# KiCad board CXD-ROUTER-v1.2.0.kicad_pcb (continued)
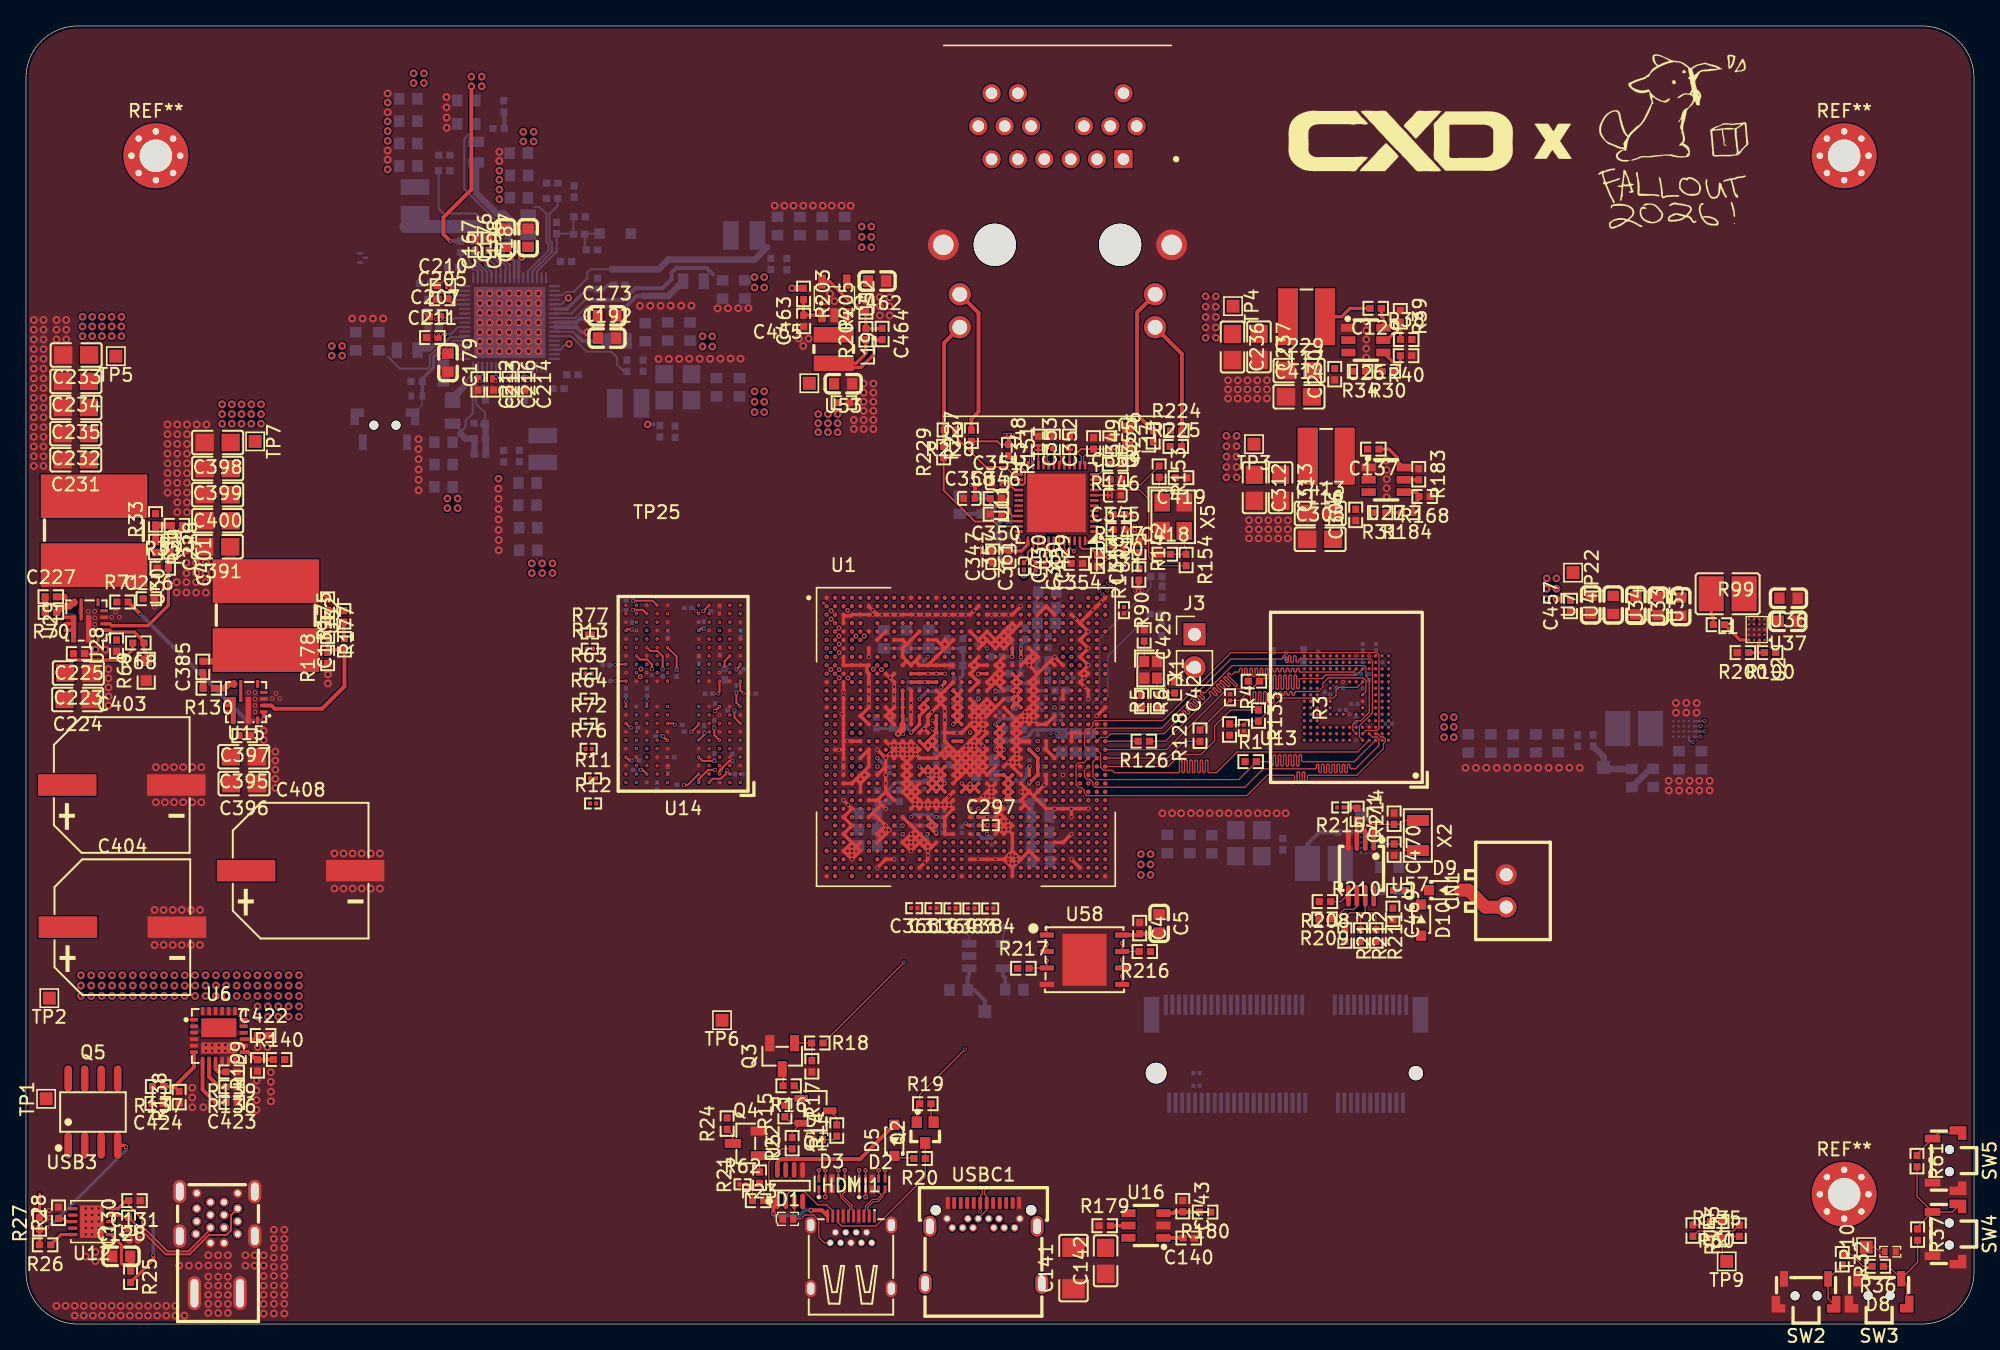
[diagram p0: board, top side]
## Routing (per net, layer and track width the routed paths; a pad name or vN(x,y) marks a point on that pad's centre or on a via; arc(x,y) is an arc through that point) (continued)
Net-(Q4-B): length 1.3
  Top w0.1: R21.2 56.49,12.9 Q4.1
Net-(Q5-G): length 11.4
  Top w0.254: v3(7.7,13.65) 7.59,13.76 Q5.4 7.12,13.7 ; R26.2 1.04,7.3 R27.1 1.52,7.32 v3(1.62,7.43)
  Bottom w0.254: v3(1.62,7.43) 1.95,7.75 2.05,7.75 7.7,13.4 v3(7.7,13.65)
Net-(R21-Pad1): length 2.6
  Top w0.1: R21.1 56.41,10.76 R62.2 55.94,10.24 R23.1
Net-(R29-Pad1): length 2.5
  Top w0.5: R29.1 R33.1 10,61.53 R73.2
Net-(R30-Pad2): length 1.3
  Top w0.254: R30.2 103.17,73.4 R34.1
Net-(R32-Pad2): length 3.7
  Top w0.1: SW2.4 138.77,1.95 SW2.1 139.84,4.56 R32.2
Net-(R36-Pad1): length 7.4
  Top w0.1: SW3.4 144.82,3.06 SW3.1 ; SW3.1 145.65,4.75 R37.2 ; SW3.1 143.44,4.44 R36.1
Net-(R37-Pad1): length 7.9
  Top w0.1: R37.1 145.65,7.49 SW4.1 ; R61.2 145.61,9.83 SW4.1 ; SW4.4 148.33,8.64 SW4.1
Net-(R61-Pad1): length 3.9
  Top w0.1: SW5.4 147.24,14.72 145.61,13.09 R61.1
Net-(R175-Pad2): length 2.4
  Top w0.3: R177.1 R176.1 24.44,54.98 R175.2
Net-(R184-Pad2): length 1.2
  Top w0.254: R184.2 R31.1
Net-(U1C-EMMC_CLKOUT/GPIO2_A1_D): length 2.5
  Top w0.09: R126.2 83.1,44.9
Net-(U1C-EMMC_DATA_STROBE/I2C2_SDA_M2/UART5_CTSN_M1/GPIO2_A2_D): length 7.8
  Top w0.09: 83.1,43.6 87.9,43.6 89.19,44.89 R128.2
Net-(U1C-EMMC_RSTN/I2C2_SCL_M2/UART5_RTSN_M1/GPIO2_A3_D): length 14.3
  Top w0.09: 83.1,42.95 87.95,42.95 88.87,43.88 90.48,43.88 91.52,44.93 91.52,46.08 92.76,47.31 R133.2
Net-(U1P-MIPI_D/C_PHY1_VREG): length 0.1
  Bottom w0.254: C16.1 73.34,39.71 v4(73.35,39.7)
Net-(U6-dVdt): length 1.2
  Top w0.254: U6.15 17.54,21.94 C422.1
Net-(U6-EN/UVLO): length 4.6
  Top w0.254: R138.2 11.41,18.3 R137.1
  Top w0.3: 11.41,18.3 11.45,18.3 12.93,19.78 U6.6
Net-(U6-ILIM): length 2.8
  Top w0.3: U6.8 14.1,19.05 14.88,18.27 R136.2
Net-(U6-IMON): length 1.5
  Top w0.3: R139.2 14.81,19.42 14.6,19.64 U6.9
Net-(U6-ITIMER): length 4.4
  Top w0.3: U6.7 13.6,18.05 14.58,17.07 C423.2
Net-(U6-PG): length 2.5
  Top w0.3: U6.13 17.11,20.94 17.69,20.36 R199.2 17.84,20.38 R140.1
Net-(U11-ISOLATEB): length 1.3
  Top w0.15: R142.2 85.7,58.19 R141.2
Net-(U12-CC1): length 13.2
  Top w0.15: C130.2 10.76,5.37 12.6,5.37 14.09,6.86 15.43,6.86 15.79,7.22 15.79,8.39 USB3.A5
  Top w0.254: C130.2 7.53,8.23 7.37,8.39 U12.4
Net-(U12-CC2): length 10.9
  Top w0.15: C131.2 7.92,9.13 8.95,8.1 8.95,7.55 10.9,5.6 12.5,5.6 14.2,7.3 USB3.B5
  Top w0.254: C131.2 7.7,9.51 7.08,8.89 7.07,8.89 U12.5
Net-(U12-GATE): length 2
  Top w0.254: R26.1 2.7,6.89 U12.10
Net-(U12-VIN): length 4.7
  Top w0.254: 8.08,4.5 8.03,4.55 7.5,4.55 7.35,4.7 7.35,6.09 U12.1
  Top w0.5: R25.1 8.08,4.11 8.08,5.39
Net-(U12-VSET): length 1.2
  Top w0.254: U12.8 3.12,7.89 2.88,8.13 R28.1
Net-(U14A-ODTa):
  vias: v2(54.2,45.62)
Net-(U14A-ODTb): length 1.2
  Top w0.15: v2(54.2,51.48) 53.8,51.08 v4(53.8,50.48)
Net-(U14A-ZQ0): length 1.8
  Top w0.15: v4(53.06,42.69) 52.52,42.69 51.8,41.97 v2(51.8,41.73)
Net-(U15-BOOT): length 2.1
  Top w0.5: 14.91,48.98 14.51,48.98 15.28,48.98 15.61,49.31 U15.7
Net-(U15-FB): length 12.5
  Top w0.3: R177.2 R178.2 23.41,51.94 C139.1 24.52,49.12 22.8,47.4 19.15,47.4 18.9,47.65 18.32,47.65 U15.2
Net-(U15-SW): length 5.2
  Top w0.5: C385.2 17.61,51.06 U32.1
Net-(U16-EN): length 2.8
  Top w0.3: R180.2 89.09,8.62 C143.2 88.45,8.65 88.34,8.54 U16.3
Net-(U16-ILIM): length 1.4
  Top w0.3: R179.2 84.86,7.58 U16.5
Net-(U18A-SW7): length 11.1
  Bottom w0.15: U18.42 42.29,77.5 43.14,78.36 43.37,78.36
  Bottom w0.3: 47.52,79.21 47.02,79.21 46.17,78.36 43.37,78.36
  Bottom w0.5: L4.1 50.6,80.33 49.47,79.21 47.52,79.21
Net-(U26-EN): length 3
  Top w0.254: 105.84,76.6 105.6,76.6 104.8,75.8 U26.5 ; 105.84,76.6 R38.1 ; 105.84,76.6 105.84,77.19 R39.2
Net-(U26-SW): length 3.7
  Top w0.254: C129.2 101.95,78.25 101.3,77.6 L17.1
Net-(U26-VBST): length 1.6
  Top w0.254: U26.6 104.52,77.48 104.36,77.64 C129.1
Net-(U26-VFB): length 3.1
  Top w0.254: 105.83,73.94 R30.1 ; 105.83,73.94 105.43,73.94 U26.4 ; 105.83,73.94 R40.2
Net-(U27-VBST): length 2.6
  Top w0.254: U27.6 105.56,66.51 105.56,66.78 104.94,67.4 C137.1
Net-(U27-VFB): length 2.8
  Top w0.254: R184.1 106.79,63.05 107.26,63.52 R168.2 107.26,63.88 107.05,64.09 U27.4
Net-(U29-BOOT): length 1.7
  Top w0.5: R70.1 2.83,55.3 3.35,55.3 3.65,55.6 U29.7
Net-(U29-EN): length 4.8
  Top w0.254: U29.1 6.45,53.45 6.6,53.3 8.34,53.3 9.06,52.58 9.06,51.94 9.26,51.74 9.26,51.29
Net-(U29-FB): length 11
  Top w0.254: R35.2 10.97,55.37 9.4,53.8 6.6,53.8 6.45,53.95 U29.2
  Top w0.5: R35.2 10.97,58.77 11.1,58.9 11.1,59.43 C228.2 10.02,59.48 R29.2
Net-(U29-SW): length 0.6
  Top w0.5: C227.2 2.97,56.03
Net-(U46-EN): length 1.5
  Bottom w0.1: 75.33,29.42 U46.4 75.22,29.92 75.33,30.04 R207.2
Net-(U46-ILIM/OCB): length 1.4
  Bottom w0.1: U46.3 72.62,29.88 72.36,30.14 R206.2
Net-(U52-EN): length 2.6
  Top w0.254: U52.1 61.28,77.73 59.86,77.73 59.86,78.92 R203.2
Net-(U52-FB): length 6.9
  Top w0.254: C464.1 65.9,76.69 R204.2 R205.1 64.43,77.97 63.6,78.8 63.4,78.8 61.89,80.31 U52.5
Net-(U57-CLKOUT): length 7.4
  Top w0.1: 103.12,31.68 103.67,31.68 103.95,31.4 R211.1 ; 103.12,31.68 102.75,31.3 102.76,31.3 R212.1 ; 103.12,31.68 101.92,31.68 101.55,31.31 R213.1 ; 103.12,31.68 U57.7
Net-(U57-INT#): length 1.6
  Top w0.3: U57.3 102.48,38.84 R214.2
Net-(U57-OSCI): length 3.7
  Top w0.1: X2.2 106.22,36.48 105.71,36.98 C470.1 104.67,36.98 104.36,37.29 U57.1
Net-(U57-OSCO): length 5.2
  Top w0.1: U57.2 103.12,38.18 103.45,38.5 C471.1 105.74,38.5 106.04,38.79 X2.1
Net-(U57-SCL): length 3.3
  Top w0.1: U57.6 102.48,32.18 102.25,31.95 101.5,31.95 100.76,31.21 R209.1
Net-(U57-SDA): length 1.6
  Top w0.1: U57.5 101.7,33 101.24,32.55 R208.1
unconnected-(U14B-DNU-PadA1):
  vias: v2(55,41.73)
unconnected-(U14B-DNU-PadA2):
  vias: v2(54.2,41.73)
unconnected-(U14B-DNU-PadA11):
  vias: v2(47,41.73)
unconnected-(U14B-DNU-PadA12):
  vias: v2(46.2,41.73)
unconnected-(U14B-DNU-PadAA1):
  vias: v2(55,54.73)
unconnected-(U14B-DNU-PadAA12):
  vias: v2(46.2,54.73)
unconnected-(U14B-DNU-PadAB1):
  vias: v2(55,55.38)
unconnected-(U14B-DNU-PadAB2):
  vias: v2(54.2,55.38)
unconnected-(U14B-DNU-PadAB11):
  vias: v2(47,55.38)
unconnected-(U14B-DNU-PadAB12):
  vias: v2(46.2,55.38)
unconnected-(U14B-DNU-PadB1):
  vias: v2(55,42.38)
unconnected-(U14B-DNU-PadB12):
  vias: v2(46.2,42.38)
unconnected-(U14B-NC-PadA8):
  vias: v2(49.4,41.73)
unconnected-(U14B-NC-PadG11):
  vias: v2(47,45.62)
unconnected-(U14B-NC-PadH3):
  vias: v2(53.4,46.28)
unconnected-(U14B-NC-PadJ5):
  vias: v2(51.8,46.93)
unconnected-(U14B-NC-PadK5):
  vias: v2(51.8,47.58)
unconnected-(U14B-NC-PadK8):
  vias: v2(49.4,47.58)
unconnected-(U14B-NC-PadN5):
  vias: v2(51.8,49.53)
unconnected-(U14B-NC-PadN8):
  vias: v2(49.4,49.53)
unconnected-(U14B-NC-PadP5):
  vias: v2(51.8,50.18)
unconnected-(U14B-NC-PadR3):
  vias: v2(53.4,50.83)

## Copper pours and planes (outline as drawn; the poured copper is in the pictures)
0V95_ETH on Top: 98.11,69.08 98.11,64.68 92.02,64.68 92.02,69.07
0V95_ETH on In4.Cu: 93.7,68.83 93.7,57.83 80.2,58.18 73.5,58.93 71.7,63.12 71.4,67.03 73.2,69.62 78.8,69.62
0V95_ETH on In5.Cu: 93.57,69.06 93.57,64.66 84.32,64.66 84.32,58.16 73.37,58.16 73.37,69.06
3V3_M0 on Top: 21.25,58.4 14.3,58.4 14.3,58.7 14.7,58.7 14.7,71.25 21.25,71.25
3V3_M0 on Top: 21.2,59.5 22.6,59.5 22.6,58.5 21.2,58.5
/5V_USB_1 on Top: 85.45,7 84.35,7 83.85,6.65 82.4,6.65 81.5,6.7 79.8,6.7 79.8,5.1 83.8,5.1 85.45,6.2
/15V_PD_OUT on Top: 2.9,52.3 4,52.3 4,54.8 2.9,54.8
/15V_PD_OUT on Top: 102.4,75.15 101.25,75.15 100.4,74.35 98.15,74.35 98.15,70.6 99.85,70.6 99.9,73.2 101.2,73.2 102.4,74.55
/15V_PD_OUT on Top: 20.85,27.05 14.4,27.05 14.4,39.3 20.85,39.3
/15V_PD_OUT on Top: 19.3,23.1 19.3,16.21 22,16.21 22,23.1
/15V_PD_OUT on Top: 16.65,37.8 14.4,37.8 14.4,48.55 16.65,48.55
/15V_PD_OUT on Top: 22,24 -0.5,24 -0.5,27.9 22,27.9
/15V_PD_OUT on Top: 0,27.4 6,27.4 6,46.9 0,46.9
/15V_PD_OUT on Top: 0,46.7 3.9,46.7 3.9,54.8 0,54.8
/15V_PD_OUT on Top: 22,22.7 16.3,22.7 16.3,23.7 13.3,23.7 13.3,24.1 22,24.1
/15V_PD_OUT_UNFUSED on Top: 13.7,18.65 9.95,18.65 9.95,23.6 13.7,23.61
/15V_PD_OUT_UNFUSED on Top: 17.15,22.2 14.35,22.2 14.35,22.65 17.15,22.65
/15V_PD_OUT_UNFUSED on Top: 10.15,16.2 -0.55,16.2 -0.55,23.58 10.15,23.6
/15V_PD_OUT_UNFUSED on Top: 16.3,21.86 13.5,21.86 13.5,23.66 16.3,23.67
GND on Top: 14.65,59.05 14.1,59.05 14.1,71.1 14.65,71.1
GND on Top: 59.3,77.2 60.45,77.2 60.45,75.05 59.3,75.05
GND on Top: 14.95,21.05 16.25,21.05 16.25,20 14.95,20
GND on Top: 22.7,28.1 21.2,28.1 21.2,40.4 22.7,40.4
GND on Top: 118.4,55.2 128.1,55.17 128.7,54.7 128.9,54.7 128.9,53.9 118.4,53.9
GND on Top: 22.7,59.7 13.45,59.7 13.45,74.5 22.7,74.5
GND on Top: 97.95,70.6 92.1,70.6 92.1,75.15 97.95,75.15
GND on Top: 136.9,52.95 132.55,52.95 132.55,53.6 136.9,53.6
GND on Top: 9.05,1.85 -1.2,1.85 -1.2,9 9.05,9
GND on Top: 14.6,58.75 12.9,58.75 12.9,67 14.6,67
GND on Top: 16.35,16.2 16.35,22.15 19.2,22.15 19.2,16.2
GND on Top: 17.2,22.1 17.2,22.65 19.25,22.65 19.25,22.1
GND on Top: 99.56,59.82 93.71,59.82 93.71,64.37 99.56,64.37
GND on Top: 135.8,53.55 135.8,56.45 136.9,56.45 136.9,53.55
GND on Top: 22.65,15.86 17.5,6 11.76,6.02 11.74,2 -1.2,2 -1.2,-0.5 22.65,-0.5
GND on Top: 64.1,78.4 64.1,79.4 66.25,79.4 66.25,78.4
GND on Top: 14.15,55.3 9.6,55.3 9.6,74.6 14.15,74.6
GND on Top: 14.15,28.4 6.5,28.4 6.5,47.3 14.15,47.3
GND on Top: 103.92,66.3 103.92,65.7 104.42,64.97 104.42,63.4 105.17,63.4 105.17,66.85 104.47,66.85
GND on Top: 65.65,68.35 63.05,68.35 63.05,73 65.65,73
GND on Top: 15.85,19.45 15.85,20.65 17.25,20.65 17.25,19.45
GND on Top: 66.75,77.2 65.4,77.2 65.4,80.9 66.75,80.9
GND on Top: 12.2,1.85 8.95,1.85 8.95,5.6 12.2,5.6
GND on Top: 62.65,77.15 61.9,77.15 61.9,78.45 61.2,78.45 61.2,79.65 62.65,79.65
GND on Top: 12.6,22.1 13.35,22.1 14.05,21.3 12.6,21.3
GND on Top: 22.45,39.65 16.95,39.65 16.95,49.5 22.45,49.5
GND on Top: 28.8,-0.45 22.4,-0.45 22.4,74.5 28.8,74.5
GND on Top: 102.35,77.05 102.35,76.45 102.85,75.72 102.85,74.15 103.6,74.15 103.6,77.6 102.9,77.6
GND on Top: 3.65,65.8 1.1,65.8 1.1,55.9 3.8,55.9 3.8,54.8 -0.2,54.8 -0.2,78.1 3.65,78.1
GND on Top: 14.15,52.3 4.5,52.3 4.5,55.7 14.15,55.7
GND on Top: 14.15,47.2 4.3,47.2 4.3,52.5 14.15,52.5
GND on Top: 10.1,16.2 10.1,20.65 16.4,20.65 16.4,16.2
GND on Top, In1.Cu, In2.Cu, In3.Cu, In4.Cu, In5.Cu, In7.Cu, In8.Cu: 0,100 150,100 150,0 0,-0.5
GND on Bottom: 127.44,48.15 127.39,46.75 126.69,46.75 126.69,48.15
GND on Bottom: 52.82,79.56 56.02,79.56 56.02,77.86 52.82,77.86
GND on Bottom: 33.69,94.96 33.69,91.76 31.99,91.76 31.99,94.96
GND on Bottom: 24.74,77.85 27.84,77.85 27.84,75.71 24.74,75.71
GND on Bottom: 63.8,86.55 63.8,84.65 57.3,84.59 57.3,86.55
GND on Bottom: 120.14,42.35 110.49,42.35 110.49,44.95 120.14,44.85
GND on Bottom: 129.59,43.35 126.59,43.35 126.59,42.35 124.84,41.85 124.84,40.85 129.59,40.85
GND on Bottom: 29.84,63.76 29.84,68.56 32.04,68.56 32.04,63.76
GND on Bottom: 46.84,78.84 51.77,78.84 51.77,76.54 46.84,76.54
GND on Bottom: 36.05,90.8 37.95,90.8 38,86.1 36.05,86.1
GND on Bottom: 36,59 36,65.7 38.6,65.7 38.6,59
GND on Bottom: 0.1,99.75 150.1,99.75 150.1,-0.25 0.1,-0.25
GND on Bottom: 27.45,95.1 29.35,95.1 29.41,88.6 27.45,88.6
GND on Bottom: 48.27,74.75 55.6,74.75 55.6,72.15 48.27,72.15
GND on Bottom: 128.19,45.1 128.19,46.65 128.99,46.65 128.99,48.15 127.39,48.15 127.39,45.1
GND on Bottom: 97.45,39.75 97.45,37.1 87,37 87,39.75
VCC3V3_ETH on Top: 96.55,79.8 96.55,75.4 90.43,75.4 90.42,79.8
VCC3V3_ETH on In4.Cu: 91.92,79.78 91.92,58.18 69.42,58.08 69.42,69.18 82.52,69.18 82.52,79.78
VCC3V3_ETH on In5.Cu: 92.1,79.73 92.2,58.62 86,55.93 84.1,57.03 80.4,57.53 74,56.93 70.9,61.43 71.4,67.62 74.9,69.93 88.1,79.53 92,79.62
VCC4V0_SYS on Top: 133.95,53.75 133.95,54.55 134.55,54.7 134.55,56.45 135.6,56.45 135.6,53.55 134.45,53.55
VCC4V0_SYS on Top: 62.9,80.85 62.9,79.75 63.55,79.75 65.2,79.95 65.2,80.75 63.55,80.85
VCC4V0_SYS on Bottom: 103.41,36.85 104.75,36.85 104.75,32.9 103.41,32.9
VCC4V0_SYS on Bottom: 127.84,44.6 129.59,44.6 129.59,43.6 127.84,43.6
VCC4V0_SYS on Bottom: 127.84,43.6 127.84,44.6 127.34,45.1 127.34,45.85 126.59,45.85 126.59,43.6
VCC4V0_SYS on Bottom: 35.75,73.7 35.75,73.1 35.1,72.3 35.1,72 35.65,72 35.65,72.3 35.9,72.75 35.95,72.85 35.95,73.7
VCC5V0_SYS on Top: 1.1,65.7 9.4,65.7 9.4,65 1.1,65
VCC5V0_SYS on Top: 38.4,81.4 39.38,83.35 37.8,83.35 37.8,81.4
VCC5V0_SYS on Top: 9.4,65.7 3.85,65.7 3.85,78.1 9.4,78.1
VCC5V0_SYS on Top: 103.96,64.43 102.81,64.43 101.97,63.62 99.71,63.62 99.71,59.88 101.42,59.88 101.46,62.48 102.77,62.48 103.96,63.83
VCC5V0_SYS on Top: 44.47,78.15 44.47,76.9 42.97,76.9 42.97,78.15
VCC5V0_SYS on Top: 44.47,76.7 44.47,75.45 42.97,75.45 42.97,76.7
VCC5V0_SYS on Top: 37.7,81.45 37.7,83.35 36.14,83.35 37.15,81.43
VCC5V0_SYS on Top: 9.1,62.09 10.6,62.09 10.6,63 9.1,63
VCC5V0_SYS on Bottom: 39.25,74.15 39.5,74.15 39.5,73.14 40.1,72.6 40.25,72.35 40.8,72.35 40.8,71.75 40.1,71.75 39.55,72.4 39.25,72.87
VCC5V0_SYS on Bottom: 39.53,74.18 40.18,74.18 40.18,73.23 40.93,73.24 41.47,73.41 41.47,73.21 41.47,72.86 39.98,72.86 39.78,73.03 39.58,73.18 39.53,73.23
VCC5V0_SYS on Bottom: 34.2,74.45 34.2,74.1 33.22,74.1 32.6,73.6 31.7,73.6 31.7,74.45
VCC5V0_SYS on Bottom: 41.49,82.2 41.49,81.55 40.14,80.11 39.54,80.11 39.54,81.1 40.84,82.2
VCC5V0_SYS on In4.Cu: 3.85,74.35 31.45,74.35 31.45,71.68 47.2,71.68 47.2,88.6 3.85,88.6
VCC_1V1_NLDO_S3 on Top: 60.65,73.5 63.75,73.5 63.75,73.35 62.95,73 62.95,68.35 60.65,68.35
VCC_1V1_NLDO_S3 on Bottom: 31.9,77 31.84,76.45 32.54,76.45 33.3,77.05 34.2,77.05 34.2,77.25 33.3,77.25 32.54,77
VCC_1V8_S0 on Bottom: 37.85,73.95 38.05,73.95 38.05,73.05 38.65,72.33 38.65,71.82 38.1,71.85 38.1,72.3 37.85,72.65
VCC_1V8_S3 on Bottom: 34.09,91.46 35.29,91.46 35.29,96.46 34.09,96.46
VCC_1V8_S3 on Bottom: 35.24,91.51 36.34,91.51 36.34,93.66 35.24,93.66
VCC_2V0_PLDO_S3 on Bottom: 37.5,73.7 37.7,73.7 37.7,72.65 37.5,72.3 37.5,71.9 36.9,71.9 36.9,72.35 37.5,73.05
VCC_2V0_PLDO_S3 on Bottom: 52.45,80.95 52.45,79.75 56.84,79.75 56.84,80.95
VCC_3V3_S3 on Bottom: 23.49,75.64 23.49,74.34 29.04,74.34 29.04,75.64
VCC_RTC on Top: 105.9,33.15 107.05,31.9 107.85,31.9 108.45,33.05 108.45,33.85 107.6,33.85 106.5,33.7 105.9,33.7
VDD2_DDR_S3 on Bottom: 38.05,85.1 39.25,85.1 39.25,92.3 38.05,92.3
VDD2_DDR_S3 on Bottom: 39.2,86.25 40.45,86.25 40.45,88.3 39.2,88.3
VDD_CPU_BIG0_S0 on Top: 128.9,57.65 128.9,54.85 128.65,54.85 128.15,55.3 116.9,55.3 116.9,57.64
VDD_CPU_BIG1_S0 on Bottom: 121.85,47.21 121.85,44.41 121.6,44.41 121.1,44.86 108.8,44.86 108.79,47.2
VDD_CPU_LIT_S0 on Bottom: 57.05,82.8 59,82.8 59,81.7 57.05,81.7
VDD_CPU_LIT_S0 on Bottom: 56.8,84.95 56.8,82.75 65.3,82.75 65.3,84.66 57.1,84.58 57.1,84.95
VDD_DDR_S0 on Bottom: 53.27,75.03 53.27,76.44 45.77,76.44 45.77,75.03
VDD_DDR_S0 on Bottom: 47.92,75.14 45.77,75.14 45.77,73.89 47.92,73.89
VDD_GPU_S0 on Bottom: 48.25,69.9 48.25,68.8 50.45,68.8 50.45,69.9
VDD_GPU_S0 on Bottom: 47.9,72.05 47.9,69.85 57.35,69.85 57.35,72.05
VDD_LOG_S0 on Bottom: 38.7,57.6 40.9,57.6 40.9,65.9 38.7,65.9
VDD_LOG_S0 on Bottom: 40.9,65.95 40.9,66.75 36.4,66.75 36.4,65.95
VDD_NPU_S0 on Bottom: 97.8,36.85 85.35,36.87 85.34,34.16 97.8,34.15
VDD_VDENC_S0 on Bottom: 31,90.6 31,88.45 32.15,88.45 32.15,90.6
VDD_VDENC_S0 on Bottom: 28.88,88 31.08,88 31.09,96.5 29.5,96.5 29.58,88.3 28.88,88.3
VDDA_0V75_S0 on Bottom: 34.15,77.95 34.15,77.75 31.89,77.75 31.89,78.25 32.09,78.25 33.3,77.95
VDDA_DDR_PLL_S0 on Bottom: 34.15,78.3 34.15,78.1 32.66,78.1 31.96,78.65 31.95,78.65 31.95,79.25 32.55,79.25 33,78.3
VDDQ_DDR_S0 on Bottom: 32.14,62.26 33.44,62.26 33.44,69.36 32.14,69.36
/PMIC RK806-1/PMIC_SW1 on Bottom: 40.22,74.86 42.82,74.86 43.07,74.61 43.77,74.61 45.97,72.06 45.97,69.81 44.67,69.81 43.17,72.11 43.17,73.41 42.62,73.96 40.22,74.21
/PMIC RK806-1/PMIC_SW2 on Bottom: 54.92,85 54.92,82.71 49.52,82.71 48.57,81.75 45.22,81.75 44.72,81.56 43.42,81.56 42.92,81.06 42.92,80.61 42.07,79.75 41.57,79.75 41.27,79.46 40.22,79.46 40.22,80.11 41.17,80.11 43.22,82.16 44.62,82.16 45.12,82.36 45.42,82.61 47.62,82.71 48.52,83.61 49.17,84.16 50.57,84.61 52.62,84.91 53.47,85
/PMIC RK806-1/PMIC_SW3 on Bottom: 38.9,73.43 39.1,73.43 39.1,72.83 40,71.75 40.95,69.03 38.7,69.03 38.95,70.38
/PMIC RK806-1/PMIC_SW6 on Bottom: 38.44,80.65 38.44,81.15 39.59,82.25 39.59,84.4 37.94,84.4 37.94,82.25 38.14,81.15 38.14,80.65
/TYPEC_VBUS on Top: 10.85,15.9 22.11,15.9 17.04,6.41 10.89,6.39
/TYPEC_VBUS on Top: 11.2,6.4 9.25,6.4 9.25,9.45 11.2,9.45
/TYPEC_VBUS on Top: 11.35,9.25 -0.5,9.25 -0.5,15.9 11.35,15.9
PMIC_SPI_CS on Bottom: 34.55,80.2 34.35,80.2 33.05,81.15 33.05,81.65 33.6,81.65 34.5,81 34.55,81
Net-(L1-Pad1) on Top: 133.25,53.7 133.25,57.6 131.25,57.6 131.25,54.7 132.45,54.45 132.45,53.7
Net-(L2-Pad1) on Bottom: 103.41,34.15 101.9,34.15 101.9,36.85 103.41,36.85
Net-(L18-Pad1) on Bottom: 127.39,45.9 126.59,45.9 126.49,45.75 126.49,44.45 125.94,44.45 125.94,47.3 126.44,47.3 126.59,47.15 126.59,46.7 127.39,46.7
Net-(U15-SW) on Top: 16.8,47.8 16.25,47.8 16.25,49.6 14.3,49.6 14.3,51.1 22.6,51.1 22.6,49.6 16.8,49.6
Net-(U26-SW) on Top: 102.4,75.5 101.25,75.5 100.8,75.4 100.65,75.4 100.65,79.85 100.8,79.85 101.15,76.2 102.4,76.15
Net-(U27-SW) on Top: 103.96,64.73 102.81,64.73 102.36,64.62 102.21,64.62 102.21,69.08 102.36,69.08 102.71,65.43 103.96,65.38
Net-(U29-SW) on Top: 4.55,54.1 4,54.1 4,56 1.1,56 1.1,57.4 9.4,57.4 9.4,56 4.55,56
Net-(U52-LX) on Top: 60.65,76.5 63.75,76.5 63.75,78.25 62.75,78.25 62.75,76.95 60.65,76.8
Net-(U57-VDD) on Top: 105.6,33.65 105.6,33.15 105,33.15 103.95,32.15 103.6,32.15 103.6,33.85 104,33.85 105.05,33.65

Small or netless copper shapes (teardrops, artwork), in the pictures only: 14 on Top, 2 on Bottom

## Text on the board
B.Silkscreen: C153
User.1: if have time add 0k series dampening resistor closest to the RK3588 pin | AH24 and AG24 CHECK
